# KiCad board middle.kicad_pcb (continued)
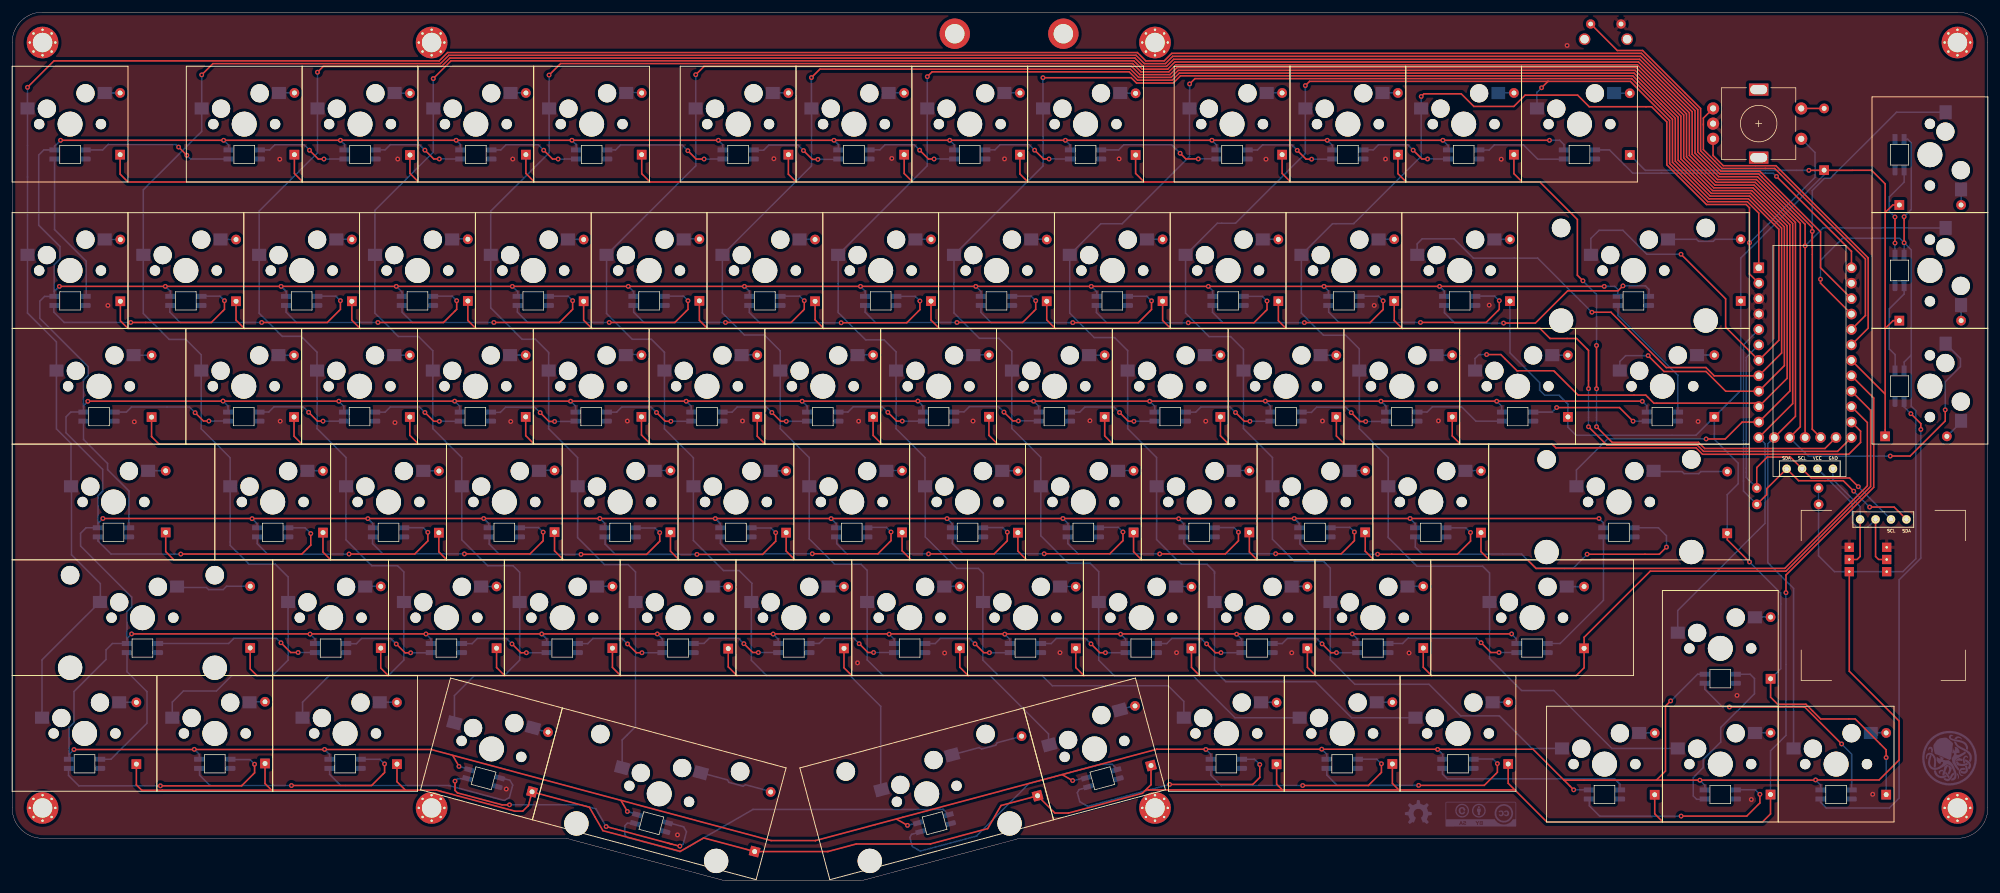
[diagram p0: board, top side]
## Nets (continued)
Net-(DE3-Pad2): DE3.2 KE3.2
Net-(DE4-Pad2): DE4.2 KE4.2
Net-(DE5-Pad2): DE5.2 KE5.2
Net-(DE6-Pad2): DE6.2 KE6.2
Net-(DE7-Pad2): DE7.2 KE7.2
Net-(DE8-Pad2): DE8.2 KE8.2
Net-(DE9-Pad2): DE9.2 KE9.2
Net-(DE10-Pad2): DE10.2 KE10.2
Net-(DE11-Pad2): DE11.2 KE11.2
Net-(DE12-Pad2): DE12.2 KE12.2
Net-(DE13-Pad2): DE13.2 KE13.2
Net-(DF0-Pad2): DF0.2 KF0.2
Net-(DF1-Pad2): DF1.2 KF1.2
Net-(DF2-Pad2): DF2.2 KF2.2
Net-(DF3-Pad2): DF3.2 KF3.2
Net-(DF4-Pad2): DF4.2 KF4.2
Net-(DF5-Pad2): DF5.2 KF5.2
Net-(DF6-Pad2): DF6.2 KF6.2
Net-(DF7-Pad2): DF7.2 KF7.2
Net-(DF8-Pad2): DF8.2 KF8.2
Net-(DF9-Pad2): DF9.2 KF9.2
Net-(DF10-Pad2): DF10.2 KF10.2
Net-(DF11-Pad2): DF11.2 KF11.2
Net-(DF12-Pad2): DF12.2 KF12.2
Net-(DF13-Pad2): DF13.2 KF13.2

Pads without a net: MountBaseMiddleTop1 1; MountBaseMiddleTop2 1; MountBaseMiddleTop3 1; MountBaseMiddleTop4 1; MountBaseMiddleTop5 1; MountBaseMiddleTop6 1; MountBaseMiddleTop7 1; MountBaseMiddleTop8 1; RSW0 3; SW99 MP

## Via types
v1: diameter 0.8, hole 0.4, Top to Bottom, 298 vias

## Routing (per net, layer and track width the routed paths; a pad name or vN(x,y) marks a point on that pad's centre or on a via; arc(x,y) is an arc through that point)
GND:
  vias: v1(15.75,94.71) v1(20.09,75.56) v1(44.02,118.79) v1(44.09,75.66) v1(62.97,75.44) v1(63.42,118.82) v1(81.28,15.11) v1(82.02,75.61) v1(82.35,118.82) v1(101.19,75.69) v1(109.45,7.57) v1(120.14,75.69) v1(125.3,118.87) v1(139.07,35.89) v1(139.24,75.66) v1(144.7,118.92) v1(153.39,37.51) v1(158.06,75.69) v1(163.25,118.84) v1(172.36,37.56) v1(177.29,75.74) v1(182.09,118.84) v1(191.54,37.56) v1(196.34,75.66) v1(206.25,118.79) v1(210.49,37.54) v1(215.54,75.69) v1(224.05,94.71) v1(225.91,118.82) v1(229.79,37.51) v1(234.62,75.72) v1(242.98,94.77) v1(244.95,118.79) v1(255.79,137.52) v1(277.34,75.61) v1(283.74,30.53) v1(286.09,13.39) v1(306.06,14.25)
VCC: length 2015.4
  Top w0.254: 145.49,10.16 147.2,9.17 ; 172.72,17.49 174.43,16.5 174.44,16.5 v1(174.45,16.51) ; 270.48,16.58 277.62,16.58 v1(277.63,16.57) 296.62,16.57 v1(296.66,16.61) 307.11,16.61 310.4,19.9 310.4,26.31 302.21,34.5 J4.3 ; 270.48,16.58 271.97,18.07 271.97,28.77 v1(272.82,29.62) ; 270.48,16.58 255.27,16.58 ; v1(7.96,121.91) v1(34.79,121.91) v1(54,121.91) v1(73.04,121.91) v1(92.08,121.91) v1(116.17,121.91) v1(135.19,121.91) v1(154.23,121.91) v1(173.26,121.91) v1(197.36,121.91) v1(216.33,121.91) v1(235.35,121.91) v1(252.89,121.91) ; 100.16,13.22 101.15,11.51 ; 255.27,16.58 250.18,21.67 188.3,21.67 146.49,10.47 141.92,9.24 ; 255.27,16.58 255.27,16.58 v1(256.87,14.98) ; v1(14.92,59.65) v1(261.04,59.65) ; v1(261.9,97.86) v1(234.81,97.86) v1(215.8,97.86) v1(196.77,97.86) v1(177.51,97.86) v1(158.52,97.86) v1(139.55,97.86) v1(120.46,97.86) v1(101.35,97.86) v1(82.28,97.86) v1(63.19,97.86) v1(44.24,97.86) v1(25.2,97.86) v1(7.77,97.86) ; v1(311.23,109.33) 311.23,105.04 ; 72.46,20.66 73.45,18.95 ; v1(10.17,21.62) 68.91,21.62 68.91,21.62 124.85,6.63 132.14,6.63 132.14,6.63 141.94,9.25 ; v1(297.47,99.04) 297.47,98.39 U0.21 ; 12.45,78.97 268.15,78.97 ; v1(19.65,40.65) v1(246.66,40.65) ; 73.48,18.86 v1(73.5,18.84)
  Bottom w0.254: 101.18,11.41 103.07,10.9 ; 147.27,9.11 149.16,9.62 ; 174.46,16.46 176.35,16.97 ; v1(296.66,16.61) 297.49,15.79 297.49,14.97 ; v1(51.39,21.64) 52.22,20.82 52.22,20 ; v1(34.69,78.98) 35.52,78.15 35.52,77.34 ; KC0.4 11.74,78 ; 11.74,78 11.74,78.07 ; 11.74,78 11.74,82.43 12.52,83.21 12.52,84.62 4.55,92.59 4.55,95.42 5.33,96.2 6.91,96.2 6.91,97.02 ; KB11.4 216.53,97.14 v1(215.8,97.86) ; KA9.4 198.12,121.15 v1(197.36,121.91) ; 312.4,86.56 312.4,103.86 310.49,105.77 301.09,105.77 297.47,102.15 v1(297.47,99.04) ; 312.4,86.56 311.22,85.38 KF13.4 ; 312.4,86.56 312.4,78.13 313.16,77.38 313.16,53.03 311.03,50.9 308.36,50.9 ; v1(272.82,29.62) 272.86,29.62 277.26,34.02 KE12.4 ; v1(153.79,59.63) 154.62,58.81 154.62,57.99 ; v1(229.96,59.65) 230.79,58.83 230.79,58.01 ; 68.89,39 68.89,39.82 v1(68.07,40.64) ; v1(10.17,21.62) 9.43,20.88 9.36,20.88 ; KA8.4 174.02,121.15 v1(173.26,121.91) ; 183.17,38.97 183.17,39.79 v1(182.34,40.61) ; v1(261.9,97.86) 263.61,97.86 264.15,97.32 KB13.4 ; 197.19,19.99 197.19,20.81 v1(196.36,21.63) ; KB10.4 197.48,97.16 v1(196.77,97.86) ; v1(87.11,40.64) 87.93,39.82 87.93,39 ; v1(216.33,121.91) 217.18,121.07 KA10.4 ; v1(168.03,78.96) 168.86,78.13 168.86,77.31 ; v1(54,121.91) 54.67,121.24 KA2.4 ; KA1.4 35.63,121.08 v1(34.79,121.91) ; v1(234.49,21.64) 235.31,20.82 235.31,20 ; 18.88,39.79 18.88,39.88 v1(19.65,40.65) ; 18.88,39.79 KE0.4 ; 18.88,39.79 18.88,44.34 19.66,45.12 19.66,46.71 11.25,55.12 11.25,57.21 12.16,58.12 14.11,58.12 ; 202.25,38.97 202.25,39.79 v1(201.42,40.61) ; 216.25,20.04 216.25,20.86 v1(215.42,21.68) ; 6.91,97.02 6.91,101.42 7.87,102.38 7.87,104.42 4.37,107.92 4.37,119.48 5.21,120.32 KA0.4 6.98,120.92 v1(7.96,121.91) ; 6.91,97.02 6.93,97.02 v1(7.77,97.86) ; 268.91,77.3 268.91,78.19 v1(268.15,78.95) ; v1(225.17,78.96) 226,78.13 226,77.31 ; KB3.4 64.13,96.92 v1(63.19,97.86) ; 73.48,18.83 75.37,18.32 ; 14.12,58.85 14.12,63.39 14.89,64.16 14.89,67.73 8.86,73.76 8.86,76.38 9.65,77.17 11.73,77.17 ; 14.12,58.85 v1(14.92,59.65) ; 14.12,58.85 KD0.4 ; v1(235.35,121.91) 236.23,121.04 KA11.4 ; v1(44.24,97.86) 45.08,97.03 KB2.4 ; v1(154.23,121.91) 154.98,121.17 KA7.4 ; KB4.4 83.18,96.97 v1(82.28,97.86) ; v1(163.28,40.61) 164.11,39.79 164.11,38.97 ; KF0.4 9.36,20.88 ; 9.36,20.88 9.36,25.27 10.17,26.08 10.17,31.17 15.44,36.44 15.44,38.02 16.49,39.07 18.88,39.07 ; v1(144.27,40.61) 145.09,39.79 145.09,38.97 ; v1(115.67,59.63) 116.49,58.81 116.49,57.99 ; 278.45,14.93 278.45,15.75 v1(277.63,16.57) ; 126.02,38.99 126.02,39.81 v1(125.19,40.63) ; 247.43,38.98 247.43,39.89 v1(246.66,40.65) ; 30.78,20.01 30.78,20.83 v1(29.96,21.65) ; 73.61,77.32 73.61,78.14 v1(72.79,78.97) ; v1(53.73,78.96) 54.56,78.13 54.56,77.31 ; KA6.4 135.93,121.17 v1(135.19,121.91) ; KB9.4 178.43,96.94 v1(177.51,97.86) ; v1(25.2,97.86) 26.02,97.04 KB1.4 ; v1(39.47,59.62) 40.3,58.8 40.3,57.98 ; KB7.4 140.33,97.08 v1(139.55,97.86) ; v1(106.13,40.64) 106.95,39.82 106.95,39 ; v1(129.95,78.96) 130.77,78.13 130.77,77.31 ; v1(96.67,59.65) 97.49,58.83 97.49,58.01 ; KA4.4 92.78,121.22 v1(92.08,121.91) ; v1(101.35,97.86) 102.23,96.98 102.23,96.22 ; 135.55,57.99 135.55,58.81 v1(134.72,59.63) ; 311.23,105.04 311.23,103 ; v1(210.9,59.65) 211.73,58.83 211.73,58.01 ; KA3.4 73.73,121.22 v1(73.04,121.91) ; v1(252.89,121.91) 254.56,121.91 255.27,121.2 255.27,120.32 ; 192.71,57.97 192.71,58.79 v1(191.89,59.61) ; 261.76,57.98 261.76,58.93 v1(261.04,59.65) ; v1(120.46,97.86) 121.28,97.05 KB6.4 ; v1(244.21,78.95) 245.03,78.13 245.03,77.31 ; v1(187.12,78.96) 187.94,78.13 187.94,77.31 ; 173.68,58.01 173.68,58.83 v1(172.85,59.65) ; 78.39,58.01 78.39,58.83 v1(77.57,59.65) ; KA5.4 116.88,121.2 v1(116.17,121.91) ; KB8.4 159.38,97 v1(158.52,97.86) ; v1(49,40.62) 49.83,39.8 49.83,38.98 ; v1(311.23,109.33) 312.4,110.5 312.4,121.49 311.81,122.08 KD13.4 ; 59.33,57.99 59.33,58.81 v1(58.51,59.63) ; v1(256.87,14.98) 259.38,14.98 ; KB12.4 235.57,97.1 v1(234.81,97.86) ; 149.81,77.34 149.81,78.16 v1(148.98,78.98) ; 111.7,77.31 111.7,78.13 v1(110.88,78.95) ; 206.98,77.34 206.98,78.16 v1(206.15,78.98) ; R2.2 297.15,53.52 299.77,50.9 J4.3 308.45,50.9 ; v1(220.45,40.64) 221.28,39.82 221.28,39 ; v1(91.86,78.96) 92.68,78.13 92.68,77.31 ; 11.75,78.22 12.48,78.94
  vias: v1(12.45,78.94) v1(101.2,11.42) v1(147.28,9.13) v1(311.23,105.04)
/IN_A0: length 24.9
  Top w0.254: v1(27.38,120.79) v1(28.73,119.44)
  Bottom w0.254: v1(28.73,119.44) 29.35,118.82 35.63,118.82 ; KA0.5 14.89,120.32 15.78,121.21 26.96,121.21 v1(27.38,120.79)
/IN_A1: length 15.3
  Top w0.254: v1(51.28,118.82) 50.36,118.82 v1(48.91,120.27)
  Bottom w0.254: v1(51.28,118.82) 54.72,118.82 ; KA1.5 42.36,120.32 43.21,121.17 48.01,121.17 v1(48.91,120.27)
/IN_A2: length 15.3
  Top w0.254: v1(70.27,118.83) 69.35,118.83 v1(67.9,120.28)
  Bottom w0.254: v1(67.9,120.28) 67,121.18 62.2,121.18 61.35,120.33 59.72,120.33 ; v1(70.27,118.83) 73.71,118.83
/IN_A3: length 15.3
  Top w0.254: v1(89.81,118.82) 88.89,118.82 v1(87.44,120.27)
  Bottom w0.254: v1(87.44,120.27) 86.54,121.17 81.23,121.17 80.38,120.32 78.75,120.32 ; v1(89.81,118.82) 92.73,118.82 92.74,118.82
/IN_A4: length 20.3
  Top w0.254: v1(111.15,120.19) 112.52,118.82 v1(113.82,118.82)
  Bottom w0.254: v1(113.82,118.82) 116.87,118.82 ; v1(111.15,120.19) 110.21,121.13 100.08,121.13 99.26,120.32 KA4.5
/IN_A5: length 15.3
  Top w0.254: v1(130.17,120.22) 131.62,118.77 v1(132.54,118.77)
  Bottom w0.254: v1(130.17,120.22) 129.27,121.12 124.47,121.12 123.62,120.27 121.99,120.27 ; v1(132.54,118.77) 135.98,118.77
/IN_A6: length 15.3
  Top w0.254: v1(149.28,120.28) 150.73,118.83 v1(151.65,118.83)
  Bottom w0.254: v1(149.28,120.28) 148.38,121.18 143.58,121.18 142.73,120.33 141.1,120.33 ; v1(151.65,118.83) 155.09,118.83
/IN_A7: length 15.3
  Top w0.254: v1(170.57,118.83) 169.65,118.83 v1(168.2,120.28)
  Bottom w0.254: 160.02,120.33 161.65,120.33 162.5,121.18 167.3,121.18 v1(168.2,120.28) ; v1(170.57,118.83) 174.01,118.83
/IN_A8: length 20.3
  Top w0.254: v1(195.12,118.84) 193.06,118.84 v1(192.13,119.77)
  Bottom w0.254: v1(192.13,119.77) 190.73,121.17 182.86,121.17 182.01,120.32 KA8.5 ; v1(195.12,118.84) 198.13,118.84
/IN_A9: length 15.3
  Top w0.254: v1(213.76,118.8) 212.84,118.8 v1(211.39,120.25)
  Bottom w0.254: 203.21,120.3 204.84,120.3 205.69,121.15 210.49,121.15 v1(211.39,120.25) ; v1(213.76,118.8) 217.2,118.8
/IN_A10: length 15.3
  Top w0.254: v1(230.46,120.28) 231.91,118.83 v1(232.83,118.83)
  Bottom w0.254: v1(232.83,118.83) 236.27,118.83 ; v1(230.46,120.28) 229.56,121.18 224.76,121.18 223.91,120.33 222.28,120.33
/IN_A11: length 15.3
  Bottom w0.254: 255.32,118.8 250.96,118.8 248.61,121.15 243.81,121.15 242.96,120.3 241.33,120.3
/IN_B0: length 24.8
  Bottom w0.254: 12.18,96.22 12.18,102 6.98,107.2 KA0.3
/IN_B1: length 36.4
  Top w0.254: v1(34.92,95.5) 34.92,94.08 32.76,91.92 19.51,91.92 v1(19.51,91.92)
  Bottom w0.254: v1(19.51,91.92) 8.56,91.92 8.56,91.92 6.86,93.62 6.86,94.74 ; 31.01,96.26 34.16,96.26 v1(34.92,95.5)
/IN_B2: length 36.4
  Top w0.254: v1(54,95.5) 54,94.08 51.84,91.92 v1(41.04,91.92)
  Bottom w0.254: v1(41.04,91.92) 27.63,91.92 25.93,93.62 25.93,94.74 ; 50.09,96.26 53.24,96.26 v1(54,95.5)
/IN_B3: length 36.4
  Top w0.254: v1(73.12,95.5) 73.12,94.08 70.96,91.92 v1(60.17,91.92)
  Bottom w0.254: v1(60.17,91.92) 46.76,91.92 45.06,93.62 45.06,94.74 ; v1(73.12,95.5) 72.36,96.26 69.21,96.26
/IN_B4: length 36.4
  Top w0.254: v1(79.25,91.92) 90.04,91.92 92.2,94.08 v1(92.2,95.5)
  Bottom w0.254: v1(92.2,95.5) 91.44,96.26 88.29,96.26 ; 64.14,94.74 64.14,93.62 65.83,91.92 v1(79.25,91.92)
/IN_B5: length 36.4
  Top w0.254: v1(111.17,95.5) 111.17,94.08 109.01,91.92 v1(98.22,91.92)
  Bottom w0.254: v1(111.17,95.5) 110.41,96.26 107.26,96.26 ; 83.11,94.74 83.11,93.62 84.81,91.92 v1(98.22,91.92)
/IN_B6: length 36.4
  Top w0.254: v1(117.35,91.92) 128.14,91.92 130.3,94.08 v1(130.3,95.5)
  Bottom w0.254: 126.39,96.26 129.54,96.26 v1(130.3,95.5) ; 102.24,94.74 102.24,93.62 103.93,91.92 v1(117.35,91.92)
/IN_B7: length 36.4
  Top w0.254: v1(149.32,95.45) 149.32,94.03 147.16,91.87 v1(136.37,91.87)
  Bottom w0.254: 145.41,96.21 148.56,96.21 v1(149.32,95.45) ; 121.26,94.69 121.26,93.57 122.96,91.87 v1(136.37,91.87)
/IN_B8: length 36.4
  Top w0.254: v1(168.37,95.5) 168.37,94.08 166.21,91.92 v1(155.42,91.92)
  Bottom w0.254: v1(168.37,95.5) 167.61,96.26 164.46,96.26 ; 140.31,94.74 140.31,93.62 142.01,91.92 v1(155.42,91.92)
/IN_B9: length 36.4
  Top w0.254: v1(187.42,95.47) 187.42,94.05 185.26,91.89 v1(174.47,91.89)
  Bottom w0.254: v1(174.47,91.89) 161.06,91.89 159.36,93.59 159.36,94.71 ; 183.51,96.24 186.66,96.24 v1(187.42,95.47)
/IN_B10: length 36.4
  Top w0.254: v1(193.47,91.87) 204.26,91.87 206.42,94.03 v1(206.42,95.45)
  Bottom w0.254: v1(193.47,91.87) 180.06,91.87 178.36,93.57 178.36,94.69 ; 202.51,96.21 205.66,96.21 v1(206.42,95.45)
/IN_B11: length 36.4
  Top w0.254: v1(225.52,95.47) 225.52,94.05 223.36,91.89 v1(212.57,91.89)
  Bottom w0.254: 197.46,94.71 197.46,93.59 199.16,91.89 v1(212.57,91.89) ; 221.61,96.24 224.76,96.24 v1(225.52,95.47)
/IN_B12: length 36.4
  Top w0.254: v1(231.67,91.92) 242.47,91.92 244.63,94.08 v1(244.63,95.5)
  Bottom w0.254: v1(231.67,91.92) 218.26,91.92 216.56,93.62 216.56,94.74 ; v1(244.63,95.5) 243.87,96.26 240.72,96.26
/IN_B13: length 39.4
  Top w0.254: v1(264.97,97.94) 264.16,97.13 255.88,97.13 250.57,91.82 v1(245.34,91.82)
  Bottom w0.254: 235.61,94.64 235.61,93.52 237.31,91.82 245.34,91.82 v1(245.34,91.82) ; v1(264.97,97.94) 268.68,97.94 269.25,97.37 KB13.5
/IN_C0: length 20
  Top w0.254: v1(30.1,77.06) 31.47,75.69 v1(32.36,75.69)
  Bottom w0.254: KC0.5 18.8,77.17 19.63,78 29.16,78 v1(30.1,77.06) ; v1(32.36,75.69) 35.56,75.69
/IN_C1: length 15.3
  Top w0.254: v1(48.77,77.13) 50.22,75.68 v1(51.14,75.68)
  Bottom w0.254: v1(51.14,75.68) 54.58,75.68 ; v1(48.77,77.13) 47.87,78.03 43.07,78.03 42.22,77.18 40.59,77.18
/IN_C2: length 15.3
  Top w0.254: v1(67.9,77.1) 69.35,75.65 v1(70.27,75.65)
  Bottom w0.254: 59.72,77.15 61.35,77.15 62.2,78 67,78 v1(67.9,77.1) ; v1(70.27,75.65) 73.71,75.65
/IN_C3: length 15.3
  Top w0.254: v1(89.23,75.62) 88.31,75.62 v1(86.86,77.07)
  Bottom w0.254: v1(86.86,77.07) 85.96,77.97 81.16,77.97 80.31,77.12 78.68,77.12 ; v1(89.23,75.62) 92.67,75.62
/IN_C4: length 15.3
  Top w0.254: v1(105.99,77.1) 107.44,75.65 v1(108.36,75.65)
  Bottom w0.254: 97.81,77.15 99.44,77.15 100.29,78 105.09,78 v1(105.99,77.1) ; v1(108.36,75.65) 111.8,75.65
/IN_C5: length 15.3
  Top w0.254: v1(127.34,75.65) 126.42,75.65 v1(124.97,77.1)
  Bottom w0.254: 116.79,77.15 118.42,77.15 119.27,78 124.07,78 v1(124.97,77.1) ; v1(127.34,75.65) 130.78,75.65
/IN_C6: length 15.3
  Top w0.254: v1(144.05,77.13) 145.5,75.68 v1(146.42,75.68)
  Bottom w0.254: 135.87,77.18 137.5,77.18 138.35,78.03 143.15,78.03 v1(144.05,77.13) ; v1(146.42,75.68) 149.86,75.68
/IN_C7: length 15.3
  Top w0.254: v1(165.52,75.71) 164.6,75.71 v1(163.15,77.16)
  Bottom w0.254: v1(165.52,75.71) 168.96,75.71 ; 154.97,77.21 156.6,77.21 157.45,78.06 162.25,78.06 v1(163.15,77.16)
/IN_C8: length 15.3
  Top w0.254: v1(184.53,75.65) 183.61,75.65 v1(182.16,77.1)
  Bottom w0.254: v1(182.16,77.1) 181.26,78 176.46,78 175.61,77.15 173.98,77.15 ; v1(184.53,75.65) 187.97,75.65
/IN_C9: length 15.3
  Top w0.254: v1(201.24,77.1) 202.69,75.65 v1(203.61,75.65)
  Bottom w0.254: v1(203.61,75.65) 207.05,75.65 ; v1(201.24,77.1) 200.34,78 195.54,78 194.69,77.15 193.06,77.15
/IN_C10: length 15.3
  Top w0.254: v1(220.28,77.07) 221.73,75.62 v1(222.65,75.62)
  Bottom w0.254: v1(222.65,75.62) 226.09,75.62 ; 212.1,77.12 213.73,77.12 214.58,77.97 219.38,77.97 v1(220.28,77.07)
/IN_C11: length 15.3
  Bottom w0.254: 245.13,75.68 240.77,75.68 238.42,78.03 233.62,78.03 232.77,77.18 231.14,77.18
/IN_C12: length 19.9
  Top w0.254: v1(254.07,77.91) 264.4,77.91 v1(266.64,75.67)
  Bottom w0.254: v1(254.07,77.91) 253.33,77.17 KC12.5 ; v1(266.64,75.67) 268.91,75.67
/IN_C13: length 21.6
  Bottom w0.254: KB13.3 264.15,93.09 274.02,83.22 274.02,77.17
/IN_D0: length 20.6
  Bottom w0.254: KD0.5 19.22,64.17 15.7,67.69 15.7,68.71 11.74,72.66 KC0.3
/IN_D1: length 43.2
  Top w0.254: v1(49.12,57.17) 49.12,55.27 47.65,53.8 v1(27.74,53.8)
  Bottom w0.254: v1(27.74,53.8) 16.28,53.8 14.12,55.95 KD0.3 ; 45.42,58.11 48.18,58.11 v1(49.12,57.17)
/IN_D2: length 36.4
  Top w0.254: v1(68.38,57.38) 68.38,55.95 66.22,53.8 v1(55.42,53.8)
  Bottom w0.254: v1(55.42,53.8) 42.01,53.8 40.31,55.49 KD1.3 ; 64.47,58.14 67.61,58.14 v1(68.38,57.38)
/IN_D3: length 36.4
  Top w0.254: v1(74.39,53.82) 85.19,53.82 87.35,55.98 v1(87.35,57.4)
  Bottom w0.254: 59.28,56.64 59.28,55.52 60.98,53.82 v1(74.39,53.82) ; 83.44,58.16 86.59,58.16 v1(87.35,57.4)
/IN_D4: length 36.4
  Top w0.254: v1(106.52,57.32) 106.52,55.9 104.37,53.74 v1(93.57,53.74)
  Bottom w0.254: 78.46,56.56 78.46,55.44 80.16,53.74 v1(93.57,53.74) ; 102.61,58.08 105.76,58.08 v1(106.52,57.32)
/IN_D5: length 36.4
  Top w0.254: v1(125.6,57.32) 125.6,55.9 123.44,53.74 v1(112.65,53.74)
  Bottom w0.254: 97.54,56.56 97.54,55.44 99.24,53.74 v1(112.65,53.74) ; 121.69,58.08 124.84,58.08 v1(125.6,57.32)
/IN_D6: length 36.4
  Top w0.254: v1(144.57,57.42) 144.57,56 142.42,53.84 v1(131.62,53.84)
  Bottom w0.254: 116.51,56.67 116.51,55.54 118.21,53.84 v1(131.62,53.84) ; 140.66,58.19 143.81,58.19 v1(144.57,57.42)
/IN_D7: length 36.4
  Top w0.254: v1(150.75,53.82) 161.54,53.82 163.7,55.98 v1(163.7,57.4)
  Bottom w0.254: 135.64,56.64 135.64,55.52 137.34,53.82 v1(150.75,53.82) ; 159.79,58.16 162.94,58.16 v1(163.7,57.4)
/IN_D8: length 36.4
  Top w0.254: v1(182.72,57.42) 182.72,56 180.57,53.84 v1(169.77,53.84)
  Bottom w0.254: 154.66,56.67 154.66,55.54 156.36,53.84 v1(169.77,53.84) ; v1(182.72,57.42) 181.96,58.19 178.81,58.19
/IN_D9: length 36.4
  Top w0.254: v1(188.77,53.82) 199.57,53.82 201.72,55.98 v1(201.72,57.4)
  Bottom w0.254: v1(201.72,57.4) 200.96,58.16 197.81,58.16 ; v1(188.77,53.82) 175.36,53.82 173.66,55.52 173.66,56.64
/IN_D10: length 36.4
  Top w0.254: v1(207.85,53.84) 218.64,53.84 220.8,56 v1(220.8,57.42)
  Bottom w0.254: v1(207.85,53.84) 194.43,53.84 192.74,55.54 192.74,56.67 ; v1(220.8,57.42) 220.04,58.19 216.89,58.19
/IN_D11: length 36.4
  Top w0.254: v1(224.61,53.77) 224.62,53.77 237.74,53.77 239.9,55.93 v1(239.9,57.35)
  Bottom w0.254: 211.84,56.59 211.84,55.47 213.54,53.77 213.54,53.77 v1(224.61,53.77) ; v1(239.9,57.35) 239.14,58.11 235.99,58.11
/IN_D12: length 53.6
  Top w0.254: v1(259.08,53.77) 270.97,53.77 v1(272.14,54.94)
  Bottom w0.254: v1(272.14,54.94) 272.14,56.79 270.81,58.12 KD12.5 ; v1(259.08,53.77) 256.74,51.43 250.67,51.43 248.31,53.8 231.95,53.8 230.81,54.94 KD11.3
/IN_D13: length 15.3
  Top w0.254: 309.73,104.99 309.73,109.28
  Bottom w0.254: KE13.3 309.72,104.98 ; KD13.5 311.22,115 308.79,112.57 308.79,110.22 309.73,109.28
  vias: v1(309.72,109.28) v1(309.73,104.99)
/IN_E0: length 27.1
  Top w0.254: v1(44.22,39.19) 45.82,37.59 v1(47.04,37.59)
  Bottom w0.254: KE0.5 35.62,39.07 36.47,39.93 43.48,39.93 v1(44.22,39.19) ; v1(47.04,37.59) 49.76,37.59
/IN_E1: length 15.3
  Top w0.254: v1(63.18,38.99) 64.63,37.54 v1(65.55,37.54)
  Bottom w0.254: v1(65.55,37.54) 68.99,37.54 ; 55,39.04 56.63,39.04 57.48,39.89 62.28,39.89 v1(63.18,38.99)
/IN_E2: length 15.3
  Top w0.254: v1(84.59,37.55) 83.67,37.55 v1(82.22,39)
  Bottom w0.254: v1(82.22,39) 81.32,39.9 76.52,39.9 75.67,39.05 74.04,39.05 ; v1(84.59,37.55) 88.03,37.55
/IN_E3: length 15.3
  Top w0.254: v1(103.6,37.55) 102.68,37.55 v1(101.23,39)
  Bottom w0.254: v1(101.23,39) 100.33,39.9 95.53,39.9 94.68,39.05 93.05,39.05 ; v1(103.6,37.55) 107.04,37.55
/IN_E4: length 15.3
  Top w0.254: v1(120.37,39.04) 121.82,37.59 v1(122.74,37.59)
  Bottom w0.254: v1(120.37,39.04) 119.47,39.94 114.67,39.94 113.82,39.09 112.19,39.09 ; v1(122.74,37.59) 126.18,37.59
/IN_E5: length 15.3
  Top w0.254: v1(141.7,37.59) 140.78,37.59 v1(139.33,39.04)
  Bottom w0.254: v1(141.7,37.59) 145.14,37.59 ; 131.15,39.09 132.78,39.09 133.63,39.94 138.43,39.94 v1(139.33,39.04)
/IN_E6: length 15.3
  Top w0.254: v1(158.39,39.01) 159.84,37.56 v1(160.76,37.56)
  Bottom w0.254: v1(158.39,39.01) 157.49,39.91 152.69,39.91 151.84,39.06 150.21,39.06 ; v1(160.76,37.56) 164.2,37.56
/IN_E7: length 15.3
  Top w0.254: v1(177.47,39.01) 178.92,37.56 v1(179.84,37.56)
  Bottom w0.254: v1(179.84,37.56) 183.28,37.56 ; 169.29,39.06 170.92,39.06 171.77,39.91 176.57,39.91 v1(177.47,39.01)
/IN_E8: length 15.3
  Top w0.254: v1(198.85,37.56) 197.93,37.56 v1(196.48,39.01)
  Bottom w0.254: v1(196.48,39.01) 195.58,39.91 190.78,39.91 189.93,39.06 188.3,39.06 ; v1(198.85,37.56) 202.29,37.56
/IN_E9: length 15.3
  Top w0.254: v1(217.85,37.56) 216.93,37.56 v1(215.48,39.01)
  Bottom w0.254: v1(217.85,37.56) 221.29,37.56 ; 207.3,39.06 208.93,39.06 209.78,39.91 214.58,39.91 v1(215.48,39.01)
/IN_E10: length 22.4
  Top w0.254: v1(244.58,37.59) 243.25,37.59 v1(241.64,39.2)
  Bottom w0.254: v1(241.64,39.2) 240.88,39.96 229.61,39.96 228.72,39.07 KE10.5 ; v1(244.58,37.59) 247.46,37.59
/IN_E11: length 22.6
  Bottom w0.254: KE11.5 254.64,39.07 261.77,46.2 261.77,56.63
/IN_E12: length 29
  Bottom w0.254: 278.41,13.43 277.09,13.43 276.54,13.98 276.54,17 278.18,18.64 278.18,19.97 281.06,22.85 281.06,25.24 286.61,30.79 286.61,33.3 285.9,34.01 283.53,34.01
/IN_E13: length 15.4
  Bottom w0.254: KE13.5 311.22,96.59 308.78,94.15 308.78,87.58 309.75,86.61 309.75,83.97
/IN_F0: length 23.2
  Bottom w0.254: 18.88,37.57 18.88,34.44 22.17,31.15 22.17,25.94 16.25,20.02 KF0.5
/IN_F1: length 39
  Top w0.254: v1(39.88,19.2) 39.88,17.78 37.74,15.64 v1(24.38,15.64)
  Bottom w0.254: 35.97,19.96 39.12,19.96 v1(39.88,19.2) ; v1(24.38,15.64) 10.97,15.64 9.27,17.34 9.27,18.46
/IN_F2: length 38.8
  Top w0.254: v1(61.26,19.25) 61.26,17.83 59.13,15.69 v1(45.95,15.69)
  Bottom w0.254: 30.84,18.51 30.84,17.39 32.53,15.69 v1(45.95,15.69) ; 57.35,20.01 60.5,20.01 v1(61.26,19.25)
/IN_F3: length 35.7
  Bottom w0.254: 81.8,13.72 82.34,15.74 ; 80.95,16.81 81.86,16.56 ; 80.96,13.24 71.78,15.7 54.05,15.7 52.22,17.52 52.22,18.4 52.22,18.4 KF2.3 ; 81.88,16.56 82.35,15.75 ; 81.79,13.71 80.97,13.24
/IN_F4: length 49.7
  Top w0.254: v1(72.85,16.41) 72.85,14.88 73.25,14.48 80.61,12.51 81.8,12.51 v1(81.81,12.52) ; 109.86,5.69 107.84,6.23 ; 97.71,8.94 108.57,6.03
  Bottom w0.254: 110.37,6.02 110.91,8.04 ; 97.63,9.07 96.02,11.86 ; v1(81.81,12.52) 93.5,12.52 96.02,11.85 ; 110.46,8.9 108.44,9.44 ; 110.36,6.02 v1(109.84,5.71) ; 110.46,8.89 110.93,8.07 ; v1(72.85,16.41) 73.26,16.82 KF3.3
  vias: v1(97.71,8.94)
/IN_F5: length 59.7
  Bottom w0.254: 101.22,7.14 109.85,4.82 ; 102.84,9.5 101.22,9.5 100.8,9.08 100.8,7.56 101.21,7.15 ; 154.07,10.85 153.17,11.75 121.85,11.75 121.85,11.75 109.86,4.82
/IN_F6: length 42.5
  Bottom w0.254: 149.38,4.9 158.65,7.39 167.31,16.04 ; 181.88,18.27 180.97,19.18 178.96,19.18 178.95,19.17 167.32,16.05 ; 149.53,8.08 147.96,7.66 147.66,7.15 148.06,5.68 ; 148.06,5.66 149.38,4.9
/IN_F7: length 39.9
  Top w0.254: v1(205.23,19.15) 205.23,17.02 204.09,15.87 v1(190.39,15.87)
  Bottom w0.254: 175.62,13.04 175.22,14.52 175.52,15.03 177.09,15.45 ; v1(205.23,19.15) 204.36,20.02 KF7.5 ; 187.27,15.04 176.94,12.27 175.62,13.03 ; v1(190.39,15.87) 187.27,15.03
/IN_F8: length 36.4
  Top w0.254: v1(225.24,19.27) 225.24,17.85 223.09,15.69 v1(212.29,15.69)
  Bottom w0.254: 197.18,18.51 197.18,17.39 198.88,15.69 v1(212.29,15.69) ; v1(225.24,19.27) 224.48,20.04 221.33,20.04
/IN_F9: length 36.4
  Top w0.254: v1(231.37,15.72) 242.16,15.72 244.32,17.88 v1(244.32,19.3)
  Bottom w0.254: 216.26,18.54 216.26,17.42 217.95,15.72 v1(231.37,15.72) ; v1(244.32,19.3) 243.56,20.06 240.41,20.06
/IN_F10: length 31.8
  Bottom w0.254: KF10.5 264.49,15.9 263.6,16.79 236.09,16.79 235.29,17.59 KF9.3
/IN_F11: length 36.4
  Top w0.254: v1(287.5,14.24) 287.5,12.82 285.34,10.66 v1(274.55,10.66)
  Bottom w0.254: v1(274.55,10.66) 261.13,10.66 259.44,12.36 259.44,13.49 ; v1(287.5,14.24) 286.74,15.01 283.59,15.01
/IN_F12: length 35.5
  Top w0.254: v1(300.95,22.53) 294.86,28.62 v1(282.49,28.62)
  Bottom w0.254: KF12.5 302.59,20.89 v1(300.95,22.53) ; KE12.3 278.44,31.54 281.36,28.62 v1(282.49,28.62)
/IN_F13: length 82.4
  Top w0.254: v1(312.34,76.9) 313.98,75.26 v1(313.98,74.31)
  Bottom w0.254: v1(312.34,76.9) 311.22,78.02 KF13.5 ; v1(313.98,74.31) 313.98,53.13 310.4,49.55 310.4,13.6 308.8,12 298.42,12 297.49,12.93 KF12.3
/SW99B: length 3.8
  Top w0.254: SW99.S2 DA13.2
col00: length 496.8
  Top w0.254: 296.12,104.27 296.12,106.29 ; 296.12,104.27 296.12,74.34 U0.28 ; 296.12,104.27 v1(296.12,106.91) 296.12,107.54 287.86,115.8 287.86,115.81 287.31,116.36 280.91,116.36 277.29,119.98 277.29,126.96 268.03,136.22 190.76,136.22 189.52,134.98 186.47,134.98 185.1,136.35 71.63,136.35 70.26,134.98 6.87,134.98 v1(2.52,130.63)
  Bottom w0.254: 2.52,127.16 v1(2.52,130.63) ; 14.43,45.9 4.91,36.37 KF0.1 ; 14.51,46.16 14.51,48.92 9.76,53.67 9.76,65.26 ; 9.68,64.94 9.68,72 7.29,74.39 KC0.1 ; KD13.1 309.97,126.53 299.1,115.66 298.13,115.66 296.12,113.65 v1(296.12,106.91) ; KA0.1 2.53,103.11 ; 7.28,84 7.28,88.72 2.53,93.47 KB0.1
col01: length 479.9
  Top w0.254: U0.27 v1(294.94,104.53) 294.94,108.08 287.11,115.91 280.72,115.91 276.83,119.8 276.83,126.78 267.88,135.73 190.91,135.73 189.71,134.53 186.25,134.53 184.88,135.9 71.82,135.9 70.45,134.53 33.03,134.53 v1(31.18,132.68)
  Bottom w0.254: v1(31.18,132.68) 31.18,127.15 ; 31.18,127.15 31.18,123.36 21.58,113.75 KB1.1 21.58,93.38 25.83,89.13 28.57,89.13 31.1,86.6 31.1,84 ; 35.86,64.95 35.86,69.64 31.1,74.4 KC1.1 ; KE1.1 45.39,36.34 42.83,33.78 36.12,33.78 33.6,31.26 28.18,31.26 26.34,29.42 26.34,26.85 ; v1(294.94,104.53) 297.89,107.48 KE13.1 ; 45.4,45.9 45.4,50.02 43.29,52.13 38.95,52.13 35.86,55.22 KD1.1
col02: length 478.2
  Top w0.254: 292.4,72.99 294.15,74.74 294.15,108.22 286.93,115.44 280.52,115.44 276.36,119.6 276.36,126.6 267.72,135.24 191.07,135.24 189.9,134.07 186.06,134.07 184.7,135.44 72,135.44 70.63,134.07 51.18,134.07 v1(50.22,133.11) ; v1(317.99,77.54) 317.99,75.7 312.22,69.93 v1(308.95,69.93)
  Bottom w0.254: 308.94,69.93 295.45,69.93 U0.26 ; KD2.1 54.91,56.14 59.19,51.86 63.42,51.86 64.44,50.84 KE2.1 64.44,36.35 61.88,33.79 52.15,33.79 47.77,29.41 47.77,26.84 ; KC2.1 50.15,74.45 54.91,69.69 54.91,64.95 ; 318.05,88.43 320.49,85.99 320.49,84.65 317.99,82.15 v1(317.99,77.54) ; KA2.1 50.22,119.84 40.62,110.24 KB2.1 40.62,93.43 44.42,89.63 47.55,89.63 50.15,87.03 50.15,83.99 ; v1(50.22,133.11) 50.22,127.16
col03: length 463.2
  Top w0.254: v1(69.27,132.06) 69.27,132.07 72.19,134.99 184.51,134.99 185.88,133.62 190.08,133.62 191.25,134.79 267.53,134.79 275.9,126.42 275.9,119.41 280.32,114.99 286.74,114.99 293.35,108.38 293.35,76.47 U0.25
  Bottom w0.254: KC3.1 69.2,74.44 73.96,69.68 73.96,64.95 ; 72.75,26.02 72.75,30.49 76.03,33.77 80.93,33.77 83.49,36.33 KE3.1 83.49,50.78 82.41,51.86 78.24,51.86 73.96,56.14 KD3.1 ; 69.2,83.99 69.2,87.26 66.85,89.61 63.52,89.61 59.68,93.45 59.68,110.38 69.28,119.97 KA3.1 ; KF12.1 293.04,48.15 288.8,52.38 288.8,71.92 U0.25 ; v1(69.27,132.06) 69.27,127.15
col04: length 429.7
  Top w0.254: U0.12 292.89,78.56 292.89,108.19 286.56,114.53 280.11,114.53 275.43,119.21 275.43,126.25 267.35,134.33 191.44,134.33 190.27,133.17 185.69,133.17 184.32,134.53 90.21,134.53 v1(88.32,132.64)
  Bottom w0.254: KA4.1 88.33,119.84 78.73,110.25 KB4.1 78.73,94.32 83.89,89.15 86.08,89.15 88.25,86.98 88.25,84 ; KD4.1 93.01,56.5 97.44,52.07 101.32,52.07 102.54,50.85 KE4.1 102.54,25.38 100.35,23.19 KF4.1 ; U0.12 288.35,71.96 288.35,58.86 273.99,44.5 KE12.1 ; v1(88.32,132.64) 88.32,127.14 ; KC4.1 88.25,74.44 93.01,69.68 93.01,64.95
col05: length 420.1
  Top w0.254: 287.32,75.51 284.58,75.51 281.81,72.74 v1(278.66,72.74) ; U0.11 292.44,80.64 292.44,108.01 286.37,114.08 279.91,114.08 274.97,119.02 274.97,126.07 267.16,133.88 191.62,133.88 190.46,132.71 185.5,132.71 184.13,134.08 113.83,134.08 v1(112.45,132.7)
  Bottom w0.254: 112.47,127.15 112.47,117.73 97.79,103.05 ; v1(278.66,72.74) 262.43,72.74 257.32,67.63 KD12.1 ; 121.67,46.25 121.67,48.99 119.58,51.08 117.02,51.08 112.06,56.04 112.06,69.65 107.3,74.41 KC5.1 ; KB5.1 97.78,93.39 102.01,89.15 105.16,89.15 107.3,87.01 107.3,84.01 ; 142.88,15.46 142.88,28.72 137.8,33.8 124.1,33.8 121.6,36.3 121.6,45.9 ; v1(112.45,132.7) 112.45,127.15
col06: length 413.5
  Top w0.254: v1(131.48,132.23) 132.88,133.63 183.95,133.63 185.31,132.26 190.65,132.26 191.81,133.42 266.97,133.42 274.51,125.89 274.51,118.83 279.71,113.63 286.18,113.63 291.99,107.82 291.99,82.73 U0.10 286.75,78.64 270.05,78.64 268.73,79.96 257.61,79.96 253.59,83.97 247.55,83.97 244.88,86.64 v1(242.54,86.64)
  Bottom w0.254: v1(242.54,86.64) 241.3,86.64 240.64,85.98 240.64,84.02 ; 131.12,64.94 131.12,69.67 126.35,74.44 KC6.1 ; 170.48,22.86 170.48,24.19 160.88,33.79 143.24,33.79 140.64,36.39 KE6.1 140.64,51.12 139.64,52.12 135.29,52.12 131.11,56.3 KD6.1 ; KB6.1 116.83,93.47 120.44,89.86 123.72,89.86 126.35,87.24 126.35,84 ; 131.5,127.12 131.5,117.7 116.84,103.05 ; v1(131.48,132.23) 131.48,127.13
col07: length 367.4
  Top w0.254: 191.98,132.95 190.83,131.8 185.13,131.8 183.76,133.17 151.33,133.17 v1(150.54,132.38) ; 192,132.97 266.79,132.97 274.05,125.7 274.05,118.64 279.52,113.17 285.99,113.17 291.53,107.63 291.53,84.81 U0.9 281.88,80.6 278.64,83.84 271.73,83.84 v1(269.11,86.46)
  Bottom w0.254: 135.86,103.05 150.53,117.71 KA7.1 ; 150.21,65.16 150.21,56.61 155.39,51.43 158.95,51.43 159.76,50.62 159.76,46.06 ; v1(269.11,86.46) 265.43,86.46 264.46,85.49 KC13.1 ; KE7.1 159.69,36.33 162.19,33.83 169.39,33.83 171.11,32.11 190.16,32.11 192.74,29.53 192.74,26.83 ; 135.88,103.05 135.88,93.56 140.39,89.05 143.43,89.05 145.4,87.08 145.4,84 ; v1(150.54,132.38) 150.54,127.15 ; KC7.1 145.4,74.43 150.16,69.67 150.16,64.92
